# Altium PCB Discharge_B5.PcbDoc (part 2 of 2)
Units mm, origin at the board's own origin, x right, y up, seen from the top; angles counter-clockwise.
Board outline 173.11 x 82.3 mm, 4 copper layers (Top Layer, GND, PWR, Bottom Layer), stack 1.369 mm thick; 172 components, 113 nets, 558 pads, 339 vias.
Unrouted connection lines stored in the file: 8.
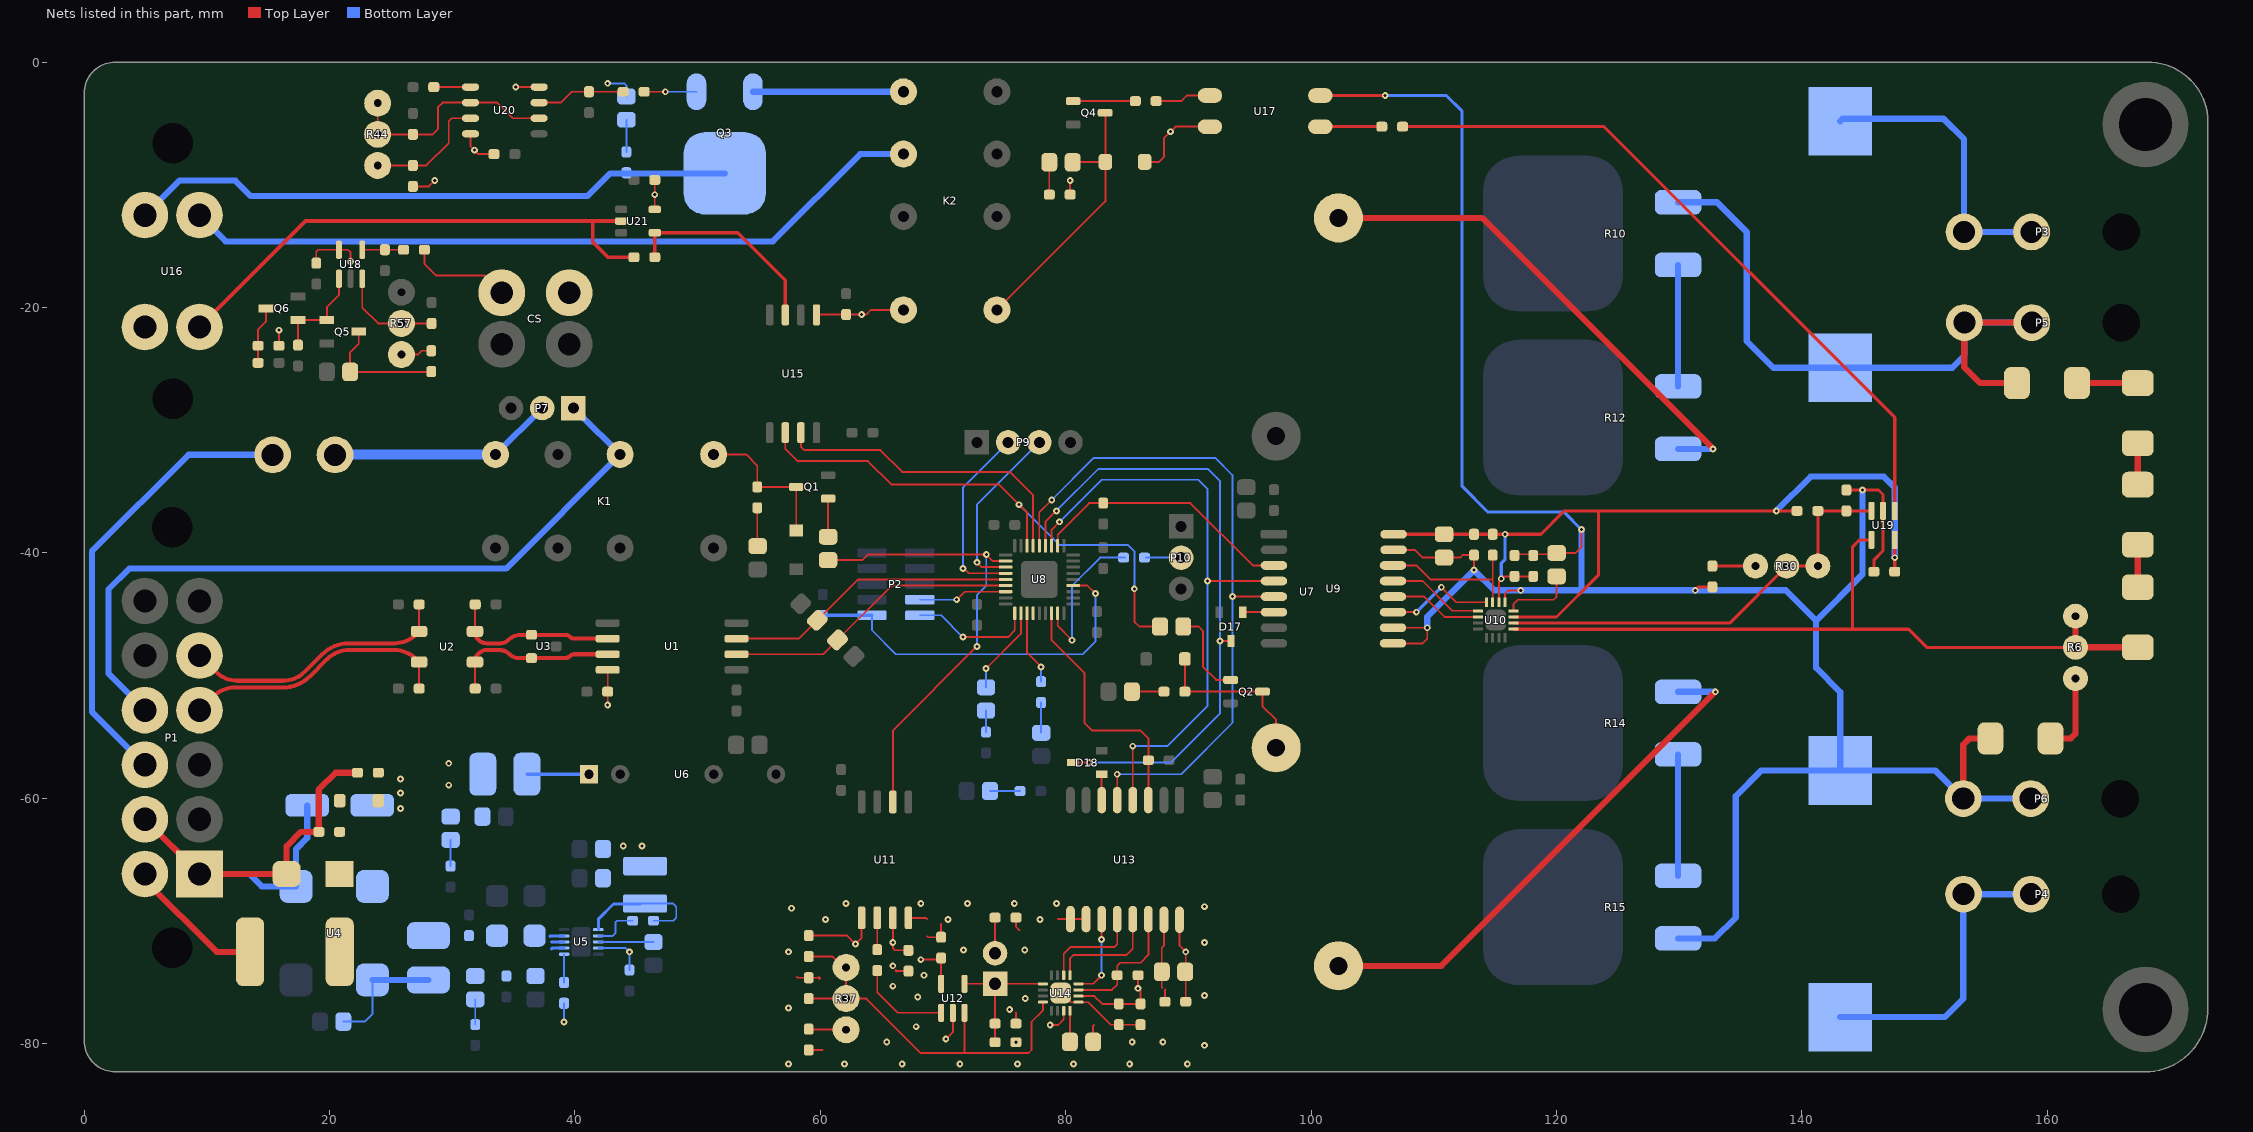
[diagram p4: the nets of this part, all layers, seen from the top]

## Via types
v1: diameter 0.55, hole 0.25, Top Layer to Bottom Layer, 339 vias

## Nets (pads, with @x,y where several pads share a name; then routed paths per layer and width w, separated by ;. In a path a pad name is that pad's centre, name@x,y a point inside that pad or via, vN(x,y) a via of type N, cw(c..) or ccw(c..) an arc to the next point about the centre after c; other vN are vias at no path point) (continued)
5V: C1.2 C17.2 C19.2 C20.2 C21.2 C27.2 C47.2 C54.2 C56.2 CS.2 D4.A D12.A D13.K K2.1 L2.1 L3.2 R4.1 R42.1 R46.2 R56.2 R57.1 R59.2 U1.8 U5.4 U15.1 U16.2 U17.4 U18.5 U20.4 U20.8 U21.5 | length 44.3
  Top Layer w0.152: R59.2@15.875,-23.114 v1(15.875,-21.844) ; C56.2@18.923,-16.024 18.923,-15.44 19.072,-15.291 U18.5@20.767,-15.291 21.5,-15.291 21.717,-15.507 v1(21.717,-16.256) ; R57.1@25.917,-23.895 R57.1@25.857,-23.835 27.193,-23.835 27.506,-23.522 R56.2@28.296,-23.522 ; R42.1@26.797,-10.123 28.104,-10.123 v1(28.575,-9.652) ; U20.8@31.496,-5.842 31.496,-6.858 32.131,-7.493 C54.2@33.401,-7.493 ; v1(35.179,-2.032) U20.4@37.084,-2.032 ; v1(42.672,-52.402) C1.2@42.672,-51.308 U1.8@42.672,-49.53 ; U21.5@46.511,-12.004 C27.2@46.511,-9.601 ; U15.1@59.69,-20.6 59.716,-20.574 C47.2@62.103,-20.574 63.754,-20.574 64.135,-20.193 K2.1@66.775,-20.193 ; R46.2@80.367,-10.795 v1(80.367,-9.637) ; D13.K@86.436,-8.128 87.63,-8.128 88.011,-7.747 88.011,-6.202 88.955,-5.258 90.957,-5.258 U17.4@91.414,-5.715
  Bottom Layer w0.152: v1(39.116,-78.232) R4.1@39.116,-76.708 ; U5.4@41.908,-72.211 44.144,-72.211 v1(44.45,-72.517) C17.2@44.45,-73.992 ; v1@42.723,-1.727 44.018,-1.727 44.196,-1.905 D12.A@44.196,-2.794
  other v1: 43.942,-63.881 45.466,-63.881 29.718,-58.928 29.718,-57.15 63.373,-20.574 46.511,-10.803 31.813,-7.175 88.545,-5.668 42.672,-1.727
BOOT0: P10.2 R24.1 | length 2.9
  Bottom Layer w0.152: R24.1@86.536,-40.386 P10.2@89.408,-40.386
CAN1_F_N: C5.2 U1.6 U2.3 U3.1 | length 13.9
  Top Layer w0.152: U2.3@31.866,-46.384 C5.2@31.866,-44.207
  Top Layer w0.33: U2.3@31.855,-46.395 ccw(c32.83,-46.395) 32.83,-47.37 33.933,-47.37 ccw(c33.933,-46.506) 34.544,-47.117 cw(c35.611,-48.184) 35.611,-46.675 U3.1@36.465,-46.675 39.17,-46.675 cw(c39.17,-47.317) 39.624,-46.863 ccw(c39.931,-46.556) 39.931,-46.99 U1.6@42.672,-46.99
  Top Layer w0.381: U2.3@31.855,-46.395 U2.3@31.866,-46.384 ; C5.2@31.866,-44.207 C5.2@31.877,-44.196
CAN1_F_P: C6.2 U1.7 U2.4 U3.2 | length 13.8
  Top Layer w0.152: C6.2@31.866,-51.043 U2.4@31.866,-48.906
  Top Layer w0.33: U2.4@31.855,-48.895 cw(c32.83,-48.895) 32.83,-47.92 33.85,-47.92 cw(c33.85,-49.081) 34.671,-48.26 ccw(c35.431,-47.5) 35.431,-48.575 U3.2@36.465,-48.575 39.177,-48.575 ccw(c39.177,-47.95) 39.619,-48.392 39.624,-48.387 cw(c39.931,-48.694) 39.931,-48.26 U1.7@42.672,-48.26
  Top Layer w0.381: U2.4@31.855,-48.895 U2.4@31.866,-48.906 ; C6.2@31.866,-51.043 C6.2@31.877,-51.054
CAN1_N: C3.2 P1.5 U2.2 | length 22.1
  Top Layer w0.152: U2.2@27.305,-46.395 C3.2@27.305,-44.218
  Top Layer w0.33: P1.5@9.403,-48.367 10.711,-49.675 ccw(c12.507,-47.879) 12.507,-50.419 16.204,-50.419 ccw(c16.204,-47.879) 18,-49.675 19.4,-48.275 cw(c21.585,-50.46) 21.585,-47.37 25.278,-47.37 ccw(c25.278,-44.83) 27.074,-46.626 U2.2@27.305,-46.395
CAN1_P: C4.2 P1.4 U2.1 | length 22.1
  Top Layer w0.152: C4.2@27.294,-51.169 U2.1@27.294,-48.992
  Top Layer w0.33: P1.4@9.403,-52.817 10.507,-51.713 cw(c12.303,-53.509) 12.303,-50.969 16.204,-50.969 ccw(c16.204,-47.879) 18.389,-50.064 19.789,-48.664 cw(c21.585,-50.46) 21.585,-47.92 25.278,-47.92 cw(c25.278,-50.46) 27.074,-48.664 U2.1@27.305,-48.895
CAN_RX_INDC: U8.31
CAN_TX_INDC: R17.2 U8.30 | length 6.1
  Top Layer w0.152: U8.30@76.851,-44.914 76.851,-48.149 v1(77.994,-49.292)
  Bottom Layer w0.152: R17.2@77.994,-50.497 v1(77.994,-49.292)
CLK_ADC: U13.13 U14.13 | length 9.2
  Top Layer w0.152: U14.13@80.342,-74.422 80.342,-73.074 80.645,-72.771 84.963,-72.771 85.471,-72.263 U13.13@85.471,-69.849
CLK_HV: U9.13 U10.13 | length 7.9
  Top Layer w0.152: U9.13@106.679,-42.291 109.093,-42.291 111.522,-44.72 U10.13@113.608,-44.72
Clock: R43.1 R45.1 U20.3 | length 7.2
  Top Layer w0.152: U20.3@37.084,-3.302 38.862,-3.302 39.751,-2.413 R45.1@41.148,-2.413 R43.1@43.942,-2.413
CS_ADC: R39.1 U13.14 U14.11 | length 10.7
  Top Layer w0.152: U14.11@81.042,-75.622 83.763,-75.622 84.201,-75.184 R39.1@84.201,-74.422 84.201,-73.66 84.455,-73.406 86.106,-73.406 86.741,-72.771 U13.14@86.741,-69.849
CS_HV: R32.1 U9.14 U10.11 | length 12.5
  Top Layer w0.152: U9.14@106.679,-41.021 108.585,-41.021 109.728,-42.164 114.745,-42.164 114.808,-42.1 ; U10.11@114.808,-44.02 114.808,-42.1 ; R32.1@114.808,-40.181 114.808,-42.1
Discharge: R42.2 R44.3 U20.7 | length 10.2
  Top Layer w0.152: R44.3@23.927,-8.423 R42.2@26.797,-8.423 27.899,-8.423 29.718,-6.604 29.718,-4.826 29.972,-4.572 U20.7@31.496,-4.572
DISCHARGE_DISABLE: R48.2 U16.1 U21.2 | length 43.5
  Top Layer w0.3: U16.1@9.403,-21.59 18.039,-12.954 41.453,-12.954 ; U21.2@43.761,-12.954 41.453,-12.954 ; R48.2@44.811,-15.9 42.697,-15.9 41.453,-14.656 41.453,-12.954
Discharge_Disable_Inv: R48.1 U15.3 U21.4 | length 17.1
  Top Layer w0.3: R48.1@46.511,-15.9 U21.4@46.511,-13.904 53.274,-13.904 57.15,-17.78 U15.3@57.15,-20.6
GL_IN: P1.10 P12.1 | length 37.2
  Bottom Layer w0.5: P1.10@4.953,-57.267 0.635,-52.949 0.635,-39.878 8.509,-32.004 P12.1@15.367,-32.004
GL_INT: K1.9 P7.2 P12.2 | length 18.5
  Top Layer w0.8: K1.9@33.514,-31.99 K1.9@33.528,-31.977
  Bottom Layer w0.5: K1.9@33.541,-31.977 P7.2@37.324,-28.194
  Bottom Layer w0.8: P12.2@20.461,-31.99 K1.9@33.514,-31.99 ; K1.9@33.528,-31.977 K1.9@33.541,-31.977 ; P7.2@37.324,-28.194 P7.2@37.338,-28.194
GL_OUT: K1.13 P1.9 P7.1 | length 62.7
  Top Layer w0.254: K1.13@43.661,-31.977 K1.13@43.688,-31.977
  Bottom Layer w0.5: P1.9@4.953,-52.79 1.975,-49.812 1.975,-42.983 3.683,-41.275 34.39,-41.275 K1.13@43.688,-31.977 40.405,-28.694 40.378,-28.694 39.905,-28.221 P7.1@39.905,-28.194
GLV+: F1.1 P1.12 | length 11.5
  Top Layer w0.5: P1.12@4.953,-66.167 4.953,-66.675 10.795,-72.517 F1.1@13.528,-72.517
GLV-: C11.1 C12.1 C13.1 D3.K P1.1 P1.11 U4.4 | length 41.2
  Top Layer w0.508: P1.11@4.953,-61.717 P1.1@9.403,-66.167 D3.K@16.498,-66.167 16.498,-63.893 17.653,-62.738 C11.1@19.128,-62.738 19.128,-59.275 20.491,-57.912 C12.1@22.228,-57.912
  Bottom Layer w0.508: P1.1@9.403,-66.167 13.462,-66.167 14.478,-67.183 U4.4@17.275,-67.183 17.272,-67.18 17.272,-64.135 18.178,-63.229 C13.1@18.178,-60.579
GND_PDOC: C36.1 C37.1 C38.1 C39.1 C40.2 C41.2 C44.1 C45.1 C46.1 R35.1 R38.1 U11.4 U12.2 U13.9 U13.10 U13.15 U14.9 U14.17 | length 29.6
  Top Layer w0.152: 58.09,-74.574 58.142,-74.627 C39.1@59.055,-74.627 59.895,-74.627 ; R38.1@59.055,-80.518 60.198,-80.518 ; 66.216,-74.09 C37.1@67.183,-74.09 ; U11.4@67.183,-69.749 68.606,-69.749 68.707,-69.85 ; 68.707,-71.247 68.785,-71.325 C38.1@69.85,-71.325 69.85,-70.231 ; v1(70.231,-79.629) 70.805,-79.055 U12.2@70.805,-78.181 ; C36.1@75.946,-78.359 75.946,-77.47 ; R35.1@75.946,-69.723 75.946,-70.45 76.235,-70.739 ; 79.375,-69.85 U13.9@80.391,-69.85 U13.10@81.661,-69.849 ; U14.17@79.592,-75.872 79.669,-75.872 80.419,-76.622 U14.9@81.042,-76.622 81.829,-76.622 83.664,-78.457 C45.1@84.328,-78.457 C46.1@86.106,-78.457 ; C44.1@82.242,-79.857 82.242,-78.54 82.296,-78.486 ; 87.884,-75.438 87.835,-75.389 C41.2@87.835,-74.142 87.835,-72.185 88.011,-72.009 U13.15@88.011,-69.9 ; C40.2@88.089,-76.581 88.089,-75.614 88.138,-75.565
  Top Layer w0.254: 59.895,-74.627 59.944,-74.676 ; 66.167,-74.041 66.216,-74.09
  other v1: 57.404,-81.661 61.976,-81.661 66.675,-81.661 71.374,-81.661 76.073,-81.661 80.645,-81.661 85.217,-81.661 89.916,-81.661 91.313,-80.137 65.418,-79.874 85.418,-79.874 87.918,-79.874 67.818,-78.613 75.438,-77.216 57.404,-77.089 76.708,-76.327 67.945,-76.2 91.313,-76.073 65.913,-75.311 68.453,-74.422 65.913,-73.66 57.404,-72.517 71.668,-72.374 76.668,-72.374 91.313,-71.755 60.418,-69.874 70.418,-69.874 77.918,-69.874 57.658,-68.961 91.313,-68.834 62.103,-68.58 68.199,-68.58 72.009,-68.58 75.819,-68.58 79.248,-68.58
HB: D10.K U8.29 | length 7.2
  Top Layer w0.152: v1(73.507,-49.429) 76.351,-46.585 U8.29@76.351,-44.914
  Bottom Layer w0.152: D10.K@73.507,-50.957 v1(73.507,-49.429)
HIGH_SENSE: CS.1 R58.1 | length 8.4
  Top Layer w0.152: R58.1@27.735,-15.291 27.735,-16.432 28.702,-17.399 32.639,-17.399 CS.1@34.036,-18.796
"HV MC +": P5.1 P5.2 R1.2 R10.1 R26.2 | length 56.7
  Top Layer w0.508: R26.2@157.533,-26.162 154.559,-26.162 153.25,-24.853 P5.2@153.25,-21.226 P5.1@158.75,-21.226
  Bottom Layer w0.508: R10.1@129.918,-11.424 133.09,-11.424 135.509,-13.843 135.509,-22.733 137.685,-24.909 R1.2@143.129,-24.909 152.256,-24.909 153.25,-23.915 P5.2@153.25,-21.226 P5.1@158.75,-21.226
"HV MC-": C28.2 C29.2 C32.1 C33.1 C34.1 C50.1 C51.1 P6.1 P6.2 R2.2 R15.2 R31.1 R40.1 U9.9 U9.10 U9.15 U10.9 U17.2 U19.2 | length 203.1
  Top Layer w0.152: U9.10@106.679,-46.101 v1(109.474,-46.101) 109.474,-46.99 109.093,-47.371 U9.9@106.68,-47.371 ; U9.15@106.73,-39.751 108.458,-39.751 109.088,-40.381 C29.2@110.845,-40.381 112.146,-40.381 112.346,-40.181 C28.2@113.284,-40.181 v1(113.284,-41.402) ; U10.9@115.808,-44.02 115.81,-44.018 115.81,-43.321 116.078,-43.053 v1(117.094,-43.053) ; C34.1@116.586,-40.21 116.686,-40.11 119.915,-40.11 C32.1@120.015,-40.01 121.534,-40.01 122.047,-39.497 v1(122.047,-38.1)
  Top Layer w0.254: U17.2@100.762,-2.718 v1(106.045,-2.718) ; v1(131.318,-43.053) 131.599,-42.772 R40.1@132.715,-42.772 ; C50.1@143.637,-34.876 v1(144.946,-34.876) 146.255,-34.876 146.624,-35.245 U19.2@146.624,-36.576 146.624,-39.835 145.874,-40.585 C51.1@145.874,-41.529
  Top Layer w0.508: P6.2@153.162,-60.022 153.162,-55.626 153.67,-55.118 R31.1@155.374,-55.118
  Bottom Layer w0.254: v1(106.045,-2.718) 111.023,-2.718 112.319,-4.013 112.319,-34.569 114.427,-36.678 120.625,-36.678 v1(122.047,-38.1)
  Bottom Layer w0.508: v1(109.474,-46.101) 109.474,-45.212 v1(113.284,-41.402) 114.935,-43.053 v1(117.094,-43.053) 122.047,-43.053 ; v1(122.047,-38.1) 122.047,-43.053 ; R15.2@129.918,-71.423 132.92,-71.423 134.62,-69.723 134.62,-59.817 136.701,-57.736 R2.2@143.129,-57.736 ; v1(144.946,-34.876) 144.946,-41.744 141.16,-45.53 ; P6.1@158.662,-60.022 P6.2@153.162,-60.022 150.876,-57.736 R2.2@143.129,-57.736 ; 122.047,-43.053 v1(131.318,-43.053) 138.684,-43.053 141.16,-45.53 ; 141.16,-45.53 141.16,-49.376 143.129,-51.344 R2.2@143.129,-57.736
HVVDD: C28.1 C29.1 C33.2 C34.2 C51.2 R18.2 R32.2 U9.16 U10.7 U10.10 U19.5 | length 75.2
  Top Layer w0.152: U10.10@115.308,-44.02 115.308,-42.299 v1(115.502,-42.105) 115.697,-41.91 C34.2@116.586,-41.91 C33.2@118.11,-41.91
  Top Layer w0.254: U9.16@106.73,-38.481 C29.1@110.845,-38.481 C28.1@113.284,-38.481 R32.2@114.808,-38.481 v1(115.824,-38.481) 118.745,-38.481 120.65,-36.576 123.444,-36.576 ; U10.7@116.508,-45.22 120.007,-45.22 123.444,-41.783 123.444,-36.576 ; R18.2@139.61,-36.576 v1(137.922,-36.576) 123.444,-36.576 ; C51.2@147.574,-41.529 U19.5@147.574,-38.938
  Bottom Layer w0.254: v1(115.502,-42.105) 115.502,-40.835 115.824,-40.513 v1(115.824,-38.481)
  Bottom Layer w0.508: v1(137.922,-36.576) 140.716,-33.782 146.685,-33.782 147.574,-34.671 v1(147.574,-40.386)
MISO_ADC: U13.11 U14.12 | length 6.8
  Top Layer w0.152: U14.12@81.042,-75.122 82.231,-75.122 v1(82.931,-74.422) ; v1(82.931,-71.501) U13.11@82.931,-69.849
  Bottom Layer w0.152: v1(82.931,-74.422) v1(82.931,-71.501)
MISO_HV: U9.11 U10.12 | length 9
  Top Layer w0.152: U9.11@106.679,-44.831 v1(108.585,-44.831) ; v1(110.617,-42.799) 111.838,-44.02 U10.12@114.308,-44.02
  Bottom Layer w0.254: v1(108.585,-44.831) v1(110.617,-42.799)
MOSI_ADC: U13.12 U14.14 | length 8.5
  Top Layer w0.152: U14.14@79.842,-74.422 79.842,-72.685 80.391,-72.136 83.947,-72.136 84.201,-71.882 U13.12@84.201,-69.849
MOSI_HV: U9.12 U10.14 | length 7.6
  Top Layer w0.152: U9.12@106.679,-43.561 109.22,-43.561 110.879,-45.22 U10.14@113.608,-45.22
NetC8_2: C8.2 L1.2 U4.2 | length 10
  Bottom Layer w0.152: C8.2@21.131,-78.206 22.886,-78.206 23.495,-77.597 U4.2@23.495,-74.803
  Bottom Layer w0.508: U4.2@23.495,-74.803 L1.2@28.067,-74.803
NetC11_2: C11.2 D1.A D3.A F1.2
NetC16_2: C16.2 U5.3 | length 4.5
  Bottom Layer w0.152: U5.3@41.908,-71.711 C16.2@46.404,-71.711
NetC18_1: C18.1 L2.2 U5.1 | length 10.7
  Bottom Layer w0.152: L2.2@45.339,-68.614 45.373,-68.58 48.006,-68.58 48.26,-68.834 48.26,-69.723 48.006,-69.977 C18.1@46.404,-69.977
  Bottom Layer w0.254: U5.1@41.908,-70.711 41.908,-69.852 43.146,-68.614 L2.2@45.339,-68.614
NetC18_2: C18.2 U5.2 | length 3.8
  Bottom Layer w0.152: U5.2@41.908,-71.211 43.089,-71.211 43.307,-70.993 43.307,-70.104 43.434,-69.977 C18.2@44.704,-69.977
NetC32_2: C32.2 U10.8 | length 6
  Top Layer w0.152: U10.8@116.508,-44.72 116.508,-44.147 116.84,-43.815 119.761,-43.815 120.015,-43.561 C32.2@120.015,-41.91
NetC36_2: C36.2 P11.2 R33.1 U12.4 U14.1 | length 11.1
  Top Layer w0.152: U12.4@71.755,-75.122 P11.2@74.246,-75.122 ; R33.1@74.246,-79.883 C36.2@74.246,-78.359 P11.2@74.246,-75.122 ; U14.1@78.142,-75.122 P11.2@74.246,-75.122
NetC39_2: C39.2 R36.1 R37.1 R37.2 U12.3 U14.4 | length 33.2
  Top Layer w0.152: C39.2@59.055,-76.327 R37.2@62.103,-76.327 ; R36.1@59.055,-72.898 61.016,-72.898 R37.1@61.905,-73.787 ; R37.1@61.905,-74.295 62.103,-74.295 R37.2@62.103,-76.327 ; U12.3@71.755,-77.484 71.755,-80.623 71.606,-80.772 ; U14.4@78.142,-76.622 78.142,-77.306 77.216,-78.232 77.216,-80.518 76.962,-80.772 71.606,-80.772 ; R37.2@62.103,-76.327 63.754,-76.327 68.199,-80.772 71.606,-80.772
NetC44_2: C44.2 U14.8 | length 2.5
  Top Layer w0.152: C44.2@80.342,-79.857 U14.8@80.342,-77.322
NetC50_2: C50.2 R18.1 R30.1 R30.2 U10.6 U19.3 | length 35.6
  Top Layer w0.254: U10.6@116.508,-45.72 134.122,-45.72 R30.2@138.77,-41.072 R30.1@141.31,-41.072 R18.1@141.31,-36.576 C50.2@143.637,-36.576 U19.3@145.674,-36.576
NetC52_2: C52.2 U20.5 | length 3
  Top Layer w0.152: C52.2@28.497,-2.032 U20.5@31.496,-2.032
NetC55_2: C55.2 R57.2 U18.3 | length 8.5
  Top Layer w0.152: U18.3@22.667,-17.653 22.667,-20 23.962,-21.295 R57.2@25.857,-21.295 C55.2@28.321,-21.295
NetC57_2: C57.2 R58.2 U18.4 | length 3.4
  Top Layer w0.152: U18.4@22.667,-15.291 24.704,-15.291 R58.2@26.035,-15.291
NetD2_K: D2.K R3.2 | length 2.1
  Bottom Layer w0.152: R3.2@31.877,-78.437 D2.K@31.877,-76.386
NetD4_K: D4.K R5.2 | length 2.1
  Bottom Layer w0.152: R5.2@29.871,-65.532 D4.K@29.871,-63.394
NetD5_K: D5.K R7.2 | length 2.4
  Bottom Layer w0.152: D5.K@73.836,-59.41 R7.2@76.278,-59.41
NetD6_K: D6.K R8.2 | length 3.1
  Top Layer w0.152: R8.2@54.864,-36.322 54.864,-39.422 D6.K@54.89,-39.448
NetD7_A: D7.A K1.16 Q1.D R8.1 | length 12.4
  Top Layer w0.152: K1.16@51.308,-31.977 53.948,-31.977 54.864,-32.893 R8.1@54.864,-34.622 Q1.D@58.039,-34.622 D7.A@58.039,-38.176
NetD8_K: D8.K R13.2 | length 2.6
  Top Layer w0.152: D8.K@85.393,-51.308 R13.2@88.013,-51.308
NetD9_A: D9.A Q2.D R13.1 U7.3 | length 14
  Top Layer w0.152: D9.A@89.713,-48.641 R13.1@89.713,-51.308 Q2.D@96.042,-51.308 96.042,-52.481 97.155,-53.594 U7.3@97.155,-55.88
NetD10_A: D10.A R16.1 | length 1.8
  Bottom Layer w0.152: R16.1@73.507,-54.61 D10.A@73.507,-52.857
NetD11_A: D11.A R17.1 | length 2.5
  Bottom Layer w0.152: D11.A@77.994,-54.664 R17.1@77.994,-52.197
NetD12_K: D12.K R41.2 | length 2.6
  Bottom Layer w0.152: R41.2@44.196,-7.317 D12.K@44.196,-4.694
NetD13_A: D13.A D14.K K2.16 Q4.D | length 22.4
  Top Layer w0.152: K2.16@74.395,-20.193 83.236,-11.352 D13.A@83.236,-8.128 ; D14.K@80.593,-8.128 D13.A@83.236,-8.128 ; Q4.D@83.236,-4.146 D13.A@83.236,-8.128
  Top Layer w0.254: D14.K@80.567,-8.154 D14.K@80.593,-8.128 ; Q4.D@83.215,-4.125 Q4.D@83.236,-4.146
NetD14_A: D14.A R46.1 | length 2.6
  Top Layer w0.152: R46.1@78.667,-10.795 D14.A@78.667,-8.154
NetD16_A: D16.A Q5.D R56.1 | length 10.2
  Top Layer w0.152: Q5.D@22.382,-21.966 22.382,-22.957 21.682,-23.657 D16.A@21.682,-25.247 R56.1@28.296,-25.247
NetD17_A: D17.A U9.6 | length 2.6
  Top Layer w0.152: D17.A@94.486,-44.831 U9.6@96.977,-44.831
  Top Layer w0.254: D17.A@94.422,-44.767 ccw(c94.486,-44.767) D17.A@94.486,-44.831
NetD17_K: D17.K D18.K U8.13 | length 51.9
  Top Layer w0.152: U8.13@78.351,-39.414 78.351,-37.473 v1(79.248,-36.576) ; D18.K@80.581,-57.089 v1(81.915,-57.089) ; v1@92.647,-47.181 D17.K@93.472,-47.181
  Top Layer w0.254: v1@92.583,-47.117 ccw(c92.647,-47.117) v1@92.647,-47.181
  Bottom Layer w0.152: v1(79.248,-36.576) 82.677,-33.147 91.567,-33.147 92.583,-34.163 92.583,-53.086 88.58,-57.089 v1(81.915,-57.089)
  other v1: 92.583,-47.181
NetD18_A: D18.A U13.6 | length 2.1
  Top Layer w0.152: U13.6@82.931,-60.147 D18.A@82.931,-58.039
NetK2_8: K2.8 Q3.S | length 12.3
  Bottom Layer w0.5: Q3.S@54.511,-2.413 K2.8@66.775,-2.413
NetL3_1: L3.1 U6.1 | length 5.1
  Bottom Layer w0.254: L3.1@36.09,-58.039 U6.1@41.148,-58.039
NetP3_1: P3.1 P3.2 R1.1 | length 23.9
  Bottom Layer w0.508: R1.1@143.129,-4.809 143.327,-4.611 151.55,-4.611 153.225,-6.286 P3.2@153.225,-13.843 153.441,-13.843 P3.1@158.725,-13.843
NetP4_1: P4.1 P4.2 R2.1 | length 24.8
  Bottom Layer w0.508: R2.1@143.129,-77.836 151.653,-77.836 153.162,-76.327 153.162,-67.818 P4.1@158.817,-67.818
NetP11_1: P11.1 R35.2 | length 3
  Top Layer w0.152: P11.1@74.246,-72.684 R35.2@74.246,-69.723
NetQ1_G: Q1.G R9.2 | length 3.1
  Top Layer w0.152: R9.2@60.639,-38.686 Q1.G@60.639,-35.572
NetQ2_G: Q2.G R11.2 | length 7.4
  Top Layer w0.152: R11.2@89.584,-46 90.831,-46 91.186,-46.355 91.186,-49.276 92.268,-50.358 Q2.G@93.442,-50.358
NetQ3_G: Q3.G R43.2 | length 4.3
  Top Layer w0.152: R43.2@45.642,-2.413 v1(47.371,-2.413)
  Bottom Layer w0.152: v1(47.371,-2.413) Q3.G@49.911,-2.413
NetQ4_G: Q4.G R47.2 | length 5.1
  Top Layer w0.152: Q4.G@80.615,-3.175 R47.2@85.676,-3.175
NetQ5_G: Q5.G Q6.G R61.2 U18.1 | length 8.2
  Top Layer w0.152: R61.2@17.429,-23.065 Q6.G@17.429,-21.016 Q5.G@19.782,-21.016 19.782,-19.969 20.767,-18.984 U18.1@20.767,-17.653
NetQ6_D: Q6.D R59.1 R60.2 | length 4.7
  Top Layer w0.152: R60.2@14.175,-24.511 R59.1@14.175,-23.114 14.175,-21.766 14.829,-21.112 Q6.D@14.829,-20.066
NetR4_2: R4.2 U5.6 | length 2.3
  Bottom Layer w0.152: R4.2@39.116,-75.008 39.116,-72.713 U5.6@39.118,-72.711
NetR6_1: R6.1 R31.2 | length 6.7
  Top Layer w0.508: R31.2@160.274,-55.118 161.925,-55.118 162.306,-54.737 R6.1@162.306,-50.239
NetR6_2: R6.2 R6.3 R29.1 U10.5 U19.4 | length 62.5
  Top Layer w0.254: U10.5@116.508,-46.22 144.145,-46.22 ; U19.4@145.674,-38.938 144.704,-38.938 144.145,-39.497 144.145,-46.22 ; R6.2@162.306,-47.699 150.188,-47.699 148.709,-46.22 144.145,-46.22
  Top Layer w0.508: R6.3@162.306,-45.159 R6.2@162.306,-47.699 R29.1@167.386,-47.699
NetR9_1: R9.1 U8.20 U11.6 | length 38.2
  Top Layer w0.152: R9.1@60.639,-40.586 63.427,-40.586 63.881,-40.132 v1(73.533,-40.132) 74.065,-40.664 U8.20@75.101,-40.664 ; U11.6@65.913,-60.299 65.913,-54.483 v1(72.771,-47.625)
  Bottom Layer w0.152: v1(72.771,-47.625) 72.771,-43.434 73.533,-42.672 v1(73.533,-40.132)
NetR10_2: R10.2 R12.1 | length 9.9
  Bottom Layer w0.508: R12.1@129.918,-26.424 R10.2@129.918,-16.524
NetR11_1: R11.1 U8.16 U15.6 | length 44.8
  Top Layer w0.152: U15.6@57.15,-30.2 57.15,-31.496 58.166,-32.512 63.881,-32.512 65.786,-34.417 74.549,-34.417 v1(76.2,-36.068) 76.851,-36.719 U8.16@76.851,-39.414 ; v1(85.598,-42.926) 85.598,-45.593 86.005,-46 R11.1@87.684,-46
  Bottom Layer w0.152: v1(76.2,-36.068) 79.502,-39.37 85.09,-39.37 85.598,-39.878 v1(85.598,-42.926)
NetR12_2: R12.2 U7.1 | length 41.2
  Top Layer w0.508: U7.1@102.235,-12.7 113.945,-12.7 v1(132.769,-31.524)
  Bottom Layer w0.508: R12.2@129.918,-31.524 v1(132.769,-31.524)
NetR14_1: R14.1 U7.4 | length 43
  Top Layer w0.508: U7.4@102.235,-73.66 110.617,-73.66 v1(132.954,-51.323)
  Bottom Layer w0.508: R14.1@129.918,-51.323 v1(132.954,-51.323)
NetR14_2: R14.2 R15.1 | length 9.9
  Bottom Layer w0.508: R15.1@129.918,-66.323 R14.2@129.918,-56.423
NetR19_1: R19.1 U1.2 U8.24 | length 24.2
  Top Layer w0.152: U1.2@53.172,-48.26 60.235,-48.26 R19.1@61.404,-47.09 65.831,-42.664 U8.24@75.101,-42.664
NetR20_1: R20.1 U1.3 U8.23 | length 23.9
  Top Layer w0.152: U1.3@53.172,-46.99 58.256,-46.99 R20.1@59.754,-45.493 63.082,-42.164 U8.23@75.101,-42.164
NetR22_1: R22.1 U8.11 U9.3 | length 21.7
  Top Layer w0.152: U8.11@79.351,-39.414 79.351,-38.505 80.645,-37.211 81.915,-35.941 R22.1@83.058,-35.941 90.17,-35.941 95.25,-41.021 U9.3@96.977,-41.021
NetR23_1: R23.1 U8.34 U13.3 | length 20.8
  Top Layer w0.152: U8.34@78.851,-44.914 78.851,-47.101 81.534,-49.784 81.534,-53.848 82.169,-54.483 86.106,-54.483 86.741,-55.118 R23.1@86.741,-56.896 U13.3@86.741,-60.147
NetR24_2: R24.2 U8.35 | length 12.4
  Top Layer w0.152: U8.35@79.351,-44.914 79.351,-45.95 v1(80.518,-47.117)
  Bottom Layer w0.152: v1(80.518,-47.117) 80.518,-42.672 82.804,-40.386 R24.2@84.836,-40.386
NetR25_1: R25.1 U19.1 | length 57.5
  Top Layer w0.254: R25.1@107.466,-5.258 123.876,-5.258 147.574,-28.956 U19.1@147.574,-36.576
NetR25_2: R25.2 U17.1 | length 5
  Top Layer w0.254: U17.1@100.762,-5.258 R25.2@105.766,-5.258
NetR26_1: R26.1 R27.2 | length 5
  Top Layer w0.254: R26.1@162.433,-26.126 R26.1@162.451,-26.144 ; R27.2@167.368,-26.144 R27.2@167.386,-26.162
  Top Layer w0.508: R26.1@162.451,-26.144 R27.2@167.368,-26.144
NetR27_1: R27.1 R28.2 | length 3.4
  Top Layer w0.508: R28.2@167.386,-34.434 R27.1@167.386,-31.062
NetR28_1: R28.1 R29.2 | length 3.5
  Top Layer w0.508: R29.2@167.386,-42.799 R28.1@167.386,-39.334
NetR30_3: R30.3 R40.2 | length 3.5
  Top Layer w0.254: R40.2@132.715,-41.072 R30.3@136.23,-41.072
NetR34_1: R34.1 U12.1 | length 7.7
  Top Layer w0.152: R34.1@64.643,-74.041 64.643,-75.819 66.308,-77.484 U12.1@69.855,-77.484
NetR34_2: R34.2 U11.2 | length 2.7
  Top Layer w0.152: R34.2@64.643,-72.341 U11.2@64.643,-69.622
NetR37_3: R37.3 R38.2 | length 3
  Top Layer w0.152: R38.2@59.079,-78.842 R37.3@62.078,-78.842 ; R37.3@62.078,-79.35 R37.3@62.103,-79.375
NetU8_12: U8.12 U9.4 U13.4 | length 50.9
  Top Layer w0.152: U8.12@78.851,-39.414 78.851,-38.113 79.499,-37.465 v1(79.502,-37.465) ; U13.4@85.471,-60.147 v1(85.471,-55.753) ; v1(91.567,-42.291) U9.4@96.977,-42.291
  Bottom Layer w0.152: v1(79.502,-37.465) 82.931,-34.036 90.805,-34.036 91.567,-34.798 v1(91.567,-42.291) 91.567,-52.451 88.265,-55.753 v1(85.471,-55.753)
NetU8_14: U8.14 U9.5 U13.5 | length 57.7
  Top Layer w0.152: U8.14@77.851,-39.414 77.851,-36.703 v1(78.867,-35.687) ; U13.5@84.201,-60.147 v1(84.201,-58.039) ; v1(93.599,-43.561) U9.5@96.977,-43.561
  Bottom Layer w0.152: v1(78.867,-35.687) 82.296,-32.258 92.202,-32.258 93.599,-33.655 v1(93.599,-43.561) 93.599,-53.848 89.404,-58.043 84.205,-58.043 v1(84.201,-58.039)
NetU8_15: U8.15 U15.7 | length 25.8
  Top Layer w0.152: U15.7@58.42,-30.2 58.42,-31.347 58.696,-31.623 64.897,-31.623 66.675,-33.401 75.438,-33.401 77.351,-35.314 U8.15@77.351,-39.414
NRST: P2.1 R21.1 U8.4 | length 30.7
  Top Layer w0.152: U8.4@80.601,-42.664 81.78,-42.664 v1(82.423,-43.307)
  Bottom Layer w0.152: P2.1@64.217,-45.085 64.217,-46.31 66.167,-48.26 81.407,-48.26 82.423,-47.244 v1(82.423,-43.307)
  Bottom Layer w0.254: R21.1@60.198,-45.085 P2.1@64.217,-45.085
SWCLK: P2.2 U8.28 | length 10.1
  Top Layer w0.152: v1(71.628,-46.863) 75.311,-46.863 75.851,-46.323 U8.28@75.851,-44.914
  Bottom Layer w0.152: P2.2@68.117,-45.085 69.85,-45.085 v1(71.628,-46.863)
SWDIO: P2.4 U8.25 | length 7.3
  Top Layer w0.152: v1(71.12,-43.815) 71.771,-43.164 U8.25@75.101,-43.164
  Bottom Layer w0.152: P2.4@68.117,-43.815 v1(71.12,-43.815)
Trigger: C53.2 R44.1 R44.2 U20.2 U20.6 | length 18.3
  Top Layer w0.152: R44.1@23.927,-3.343 R44.2@23.927,-5.883 C53.2@26.797,-5.883 28.407,-5.883 28.829,-5.461 28.829,-3.683 29.21,-3.302 U20.6@31.496,-3.302 33.655,-3.302 34.925,-4.572 U20.2@37.084,-4.572
TSAL_ACTIVE: R47.1 U17.3 | length 4.6
  Top Layer w0.152: R47.1@87.376,-3.175 89.408,-3.175 89.865,-2.718 U17.3@91.762,-2.718
TSAL_GREEN: K2.6 U16.3 | length 61.2
  Bottom Layer w0.5: U16.3@9.403,-12.47 11.538,-14.605 56.134,-14.605 63.246,-7.493 K2.6@66.775,-7.493
TSAL_RED: Q3.D R41.1 U16.4 | length 49.7
  Bottom Layer w0.5: U16.4@4.953,-12.47 7.771,-9.652 12.319,-9.652 13.589,-10.922 41.021,-10.922 42.88,-9.063 Q3.D@52.211,-9.063
UART_RX: P9.2 U8.22 | length 15.4
  Top Layer w0.152: v1(71.628,-41.275) 71.695,-41.275 72.084,-41.664 U8.22@75.101,-41.664
  Bottom Layer w0.152: v1(71.628,-41.275) 71.628,-34.671 P9.2@75.311,-30.988
UART_TX: P9.3 U8.21 | length 14.4
  Top Layer w0.152: v1(72.771,-40.767) 73.168,-41.164 U8.21@75.101,-41.164
  Bottom Layer w0.152: v1(72.771,-40.767) 72.771,-36.068 P9.3@77.851,-30.988
VBAT_D: C12.2 C13.2 D1.K U4.1
  other v1: 25.781,-60.833 25.781,-59.563 25.781,-58.42
VBAT_F: C7.2 C9.2 C10.2 C14.2 C15.2 D2.A L1.1 U5.7 U5.8 U5.9 | length 3.2
  Bottom Layer w0.254: 37.973,-71.247 38.009,-71.211 U5.9@39.118,-71.211 ; 38.1,-72.263 38.152,-72.211 U5.7@39.118,-72.211 ; 38.1,-71.711 U5.8@39.118,-71.711
VDD_PDOC: C37.2 C38.2 C40.1 C41.1 C45.2 C46.2 R33.2 R36.2 R39.2 U11.1 U11.3 U12.5 U13.16 U14.7 U14.10 | length 31
  Top Layer w0.152: R36.2@59.055,-71.198 62.181,-71.198 v1(62.865,-71.882) 63.373,-71.374 U11.1@63.373,-69.622 ; U11.3@65.913,-69.622 v1(65.913,-71.755) 65.913,-72.241 66.062,-72.39 C37.2@67.183,-72.39 ; v1(68.199,-73.152) 69.723,-73.152 C38.2@69.85,-73.025 69.853,-73.028 U12.5@69.853,-75.181 ; U12.5@69.853,-75.816 U12.5@69.855,-75.819 ; v1(78.74,-78.486) 79.375,-78.486 79.842,-78.019 U14.7@79.842,-77.322 ; U14.10@81.042,-76.122 82.345,-76.122 82.98,-76.757 C45.2@84.328,-76.757 C46.2@86.106,-76.757 86.106,-75.692 v1(85.901,-75.487) R39.2@85.901,-74.422 ; U13.16@89.281,-69.9 89.281,-72.009 v1(89.789,-72.517) C40.1@89.789,-76.581
  other v1: 75.946,-79.883
pads on no net: CS.4 D17.2 D18.2 K1.4 K1.6 K1.8 K1.11 K2.9 K2.11 K2.13 P1.0 P1.2 P1.3 P1.6 P1.7 P2.3 P2.9 P2.10 P3. P4. P5. P6. P7.3 R10. R12. R14. R15. U8.2 U8.3 U8.7 U8.8 U8.9 U8.10 U8.17 U8.32 U8.33 U9.7 U10.1 U10.2 U10.3 U10.4 U10.15 U10.16 U10.17 U13.7 U14.2 U14.3 U14.5 U14.6 U14.15 U14.16 U16.0 U21.1

## Polygon pours and split planes (outlines as drawn)
0V on Top Layer "0V_TOP" (solid, pour order 104): 0,-2.54 cw(c2.54,-2.54) 2.54,0 92.964,0 92.964,-22.352 44.45,-22.352 44.45,-61.468 50.546,-67.564 50.546,-82.296 2.54,-82.296 cw(c2.54,-79.756) 0,-79.756 0,-75.844
0V_(ISO) on Top Layer "0V_(ISO)_TOP" (solid, remove dead copper, pour order 95): 50.546,-28.448 50.546,-59.055 53.467,-61.976 98.806,-61.976 98.806,-28.448
GND_PDOC on Top Layer "GND_PDOC_TOP" (solid, remove dead copper, pour order 21): 56.642,-82.169 56.642,-69.088 57.658,-68.072 91.948,-68.072 91.948,-82.169
VBAT_D on Top Layer "VBAT_D_TOP" (solid, pour order 89): 23.495,-63.881 25.4,-63.881 26.416,-62.865 26.416,-57.912 25.4,-56.896 23.495,-56.896
NetC11_2 on Top Layer "NetC11_2_TOP" (solid, pour order 88): 19.558,-64.77 20.32,-64.008 20.32,-59.563 20.447,-59.436 21.336,-59.436 21.463,-59.563 21.463,-64.008 22.098,-64.643 22.098,-75.311 21.971,-75.438 19.685,-75.438 19.558,-75.311
0V on Bottom Layer "0V_BOT" (solid, pour order 106): 0,-2.54 cw(c2.54,-2.54) 2.54,0 92.964,0 92.964,-22.352 44.45,-22.352 44.45,-61.468 50.546,-67.564 50.546,-82.296 2.54,-82.296 cw(c2.54,-79.756) 0,-79.756 0,-75.844
5V on Bottom Layer "5V_BOT_1" (solid, pour order 93): 41.529,-67.183 41.656,-67.31 47.244,-67.31 47.498,-67.056 47.498,-64.516 46.101,-63.119 41.529,-63.119
0V_(ISO) on Bottom Layer "0V_(ISO)_BOT" (solid, remove dead copper, pour order 96): 50.546,-28.448 50.546,-59.055 53.467,-61.976 98.806,-61.976 98.806,-28.448
GND_PDOC on Bottom Layer "GND_PDOC_BOT" (solid, remove dead copper, pour order 49): 56.642,-82.169 56.642,-69.088 57.658,-68.072 91.948,-68.072 91.948,-82.169
5V on Bottom Layer "5V_BOT_2" (solid, pour order 94): 33.147,-62.357 33.147,-60.325 33.655,-59.817 33.655,-56.134 33.401,-55.88 29.21,-55.88 28.702,-56.388 28.702,-62.23 28.829,-62.357
VBAT_F on Bottom Layer "VBAT_F" (solid, pour order 91): 26.162,-70.358 26.543,-69.977 30.226,-69.977 30.607,-70.358 37.846,-70.358 38.227,-70.739 38.227,-75.057 37.973,-75.311 31.242,-75.311 30.861,-74.93 30.861,-73.152 30.226,-72.517 26.543,-72.517 26.162,-72.136
VBAT_D on Bottom Layer "VBAT_D_BOT" (solid, pour order 90): 21.717,-68.961 26.416,-68.961 26.416,-62.865 26.416,-57.912 25.4,-56.896 21.717,-56.896
0V on GND "0V_GND" (solid, pour order 105): 0,-2.54 cw(c2.54,-2.54) 2.54,0 92.964,0 92.964,-22.352 44.45,-22.352 44.45,-61.468 50.546,-67.564 50.546,-82.296 2.54,-82.296 cw(c2.54,-79.756) 0,-79.756 0,-75.844
GND_PDOC on GND "GND_PDOC_GND" (solid, remove dead copper, pour order 30): 56.642,-82.169 56.642,-69.088 57.658,-68.072 91.948,-68.072 91.948,-82.169
0V_(ISO) on GND "0V_(ISO)_GND" (solid, remove dead copper, pour order 97): 50.546,-28.448 50.546,-59.055 53.467,-61.976 98.806,-61.976 98.806,-28.448
VDD_PDOC on PWR "3V3_PDOC_PWR" (solid, remove dead copper, pour order 31): 57.912,-80.899 57.912,-69.342 90.678,-69.342 90.678,-80.899
5V on PWR "5V_PWR" (solid, remove dead copper, pour order 102): 1.524,-3.175 3.429,-1.27 91.44,-1.27 91.44,-20.955 43.053,-20.955 43.053,-60.071 48.514,-65.532 48.514,-80.899 1.524,-80.899
3V3 on PWR "3V3_PWR" (solid, remove dead copper, pour order 98): 52.07,-29.845 52.07,-58.166 54.356,-60.452 97.155,-60.452 97.155,-29.845

## Silkscreen, mask and mechanical layers (free items; w line width, h text height)
Top Overlay:
  drawing of 61 lines, arcs and shapes, not listed
  text "HIGH VOLTAGE" at 143.115,-23.503 h2 r90
  text "HV MC +" at 155.519,-30.08 h2.5
  text "HV MC -" at 163.568,-56.242 h2.5
  text "Discharge Module B4" at 105.029,-65.138 h1.5
  text "18/04/2024" at 105.029,-66.713 h1.5
  text "L.D" at 105.029,-68.063 h1.5
  text "HIGH VOLTAGE" at 143.242,-71.509 h2 r90
Bottom Overlay:
  circle w0.254: c168.021,-5.08 r5
  circle w0.254: c168.021,-77.216 r5
  region: 130.473,-61.608 132.163,-62.09 131.961,-61.577 133.023,-61.881 133.023,-62.109 133.422,-61.71 133.023,-61.311 133.023,-61.494 131.429,-60.993 131.748,-61.63 130.473,-60.993
  region: 140.415,-77.809 140.399,-77.809 140.399,-77.826 140.382,-77.826 140.382,-77.809 140.382,-77.793 140.415,-77.793
  region: 130.219,-21.984 131.909,-22.466 131.707,-21.953 132.769,-22.257 132.769,-22.485 133.168,-22.086 132.769,-21.687 132.769,-21.87 131.175,-21.369 131.494,-22.006 130.219,-21.369
  lines w0.152: 44.45,-40.64 44.45,-54.229 44.45,-61.468 50.546,-67.564 50.546,-68.707 50.546,-82.296 ; 44.45,-38.481 44.45,-33.02 ; 44.45,-30.988 44.45,-22.352 52.832,-22.352 92.964,-22.352 92.964,0 ; 50.546,-40.64 50.546,-59.055 53.467,-61.976 94.615,-61.976 98.806,-61.976 98.806,-57.277 ; 50.546,-38.608 50.546,-33.02 ; 50.546,-30.988 50.546,-28.448 ; 56.642,-82.296 56.642,-81.788 56.642,-69.088 57.658,-68.072 91.948,-68.072 91.948,-82.169 ; 95.758,-28.448 50.8,-28.448 50.546,-28.448 ; 98.806,-54.61 98.806,-31.877 ; 99.539,0 99.539,-0.987 99.539,-13.052 99.695,-13.208 104.902,-18.415 104.902,-68.072 100.203,-72.771 100.203,-73.66 100.203,-82.169 ; 133.683,-25.136 133.683,-18.657 ; 133.683,-25.046 128.194,-21.829 133.683,-18.567 ; 133.937,-64.76 133.937,-58.281 ; 133.937,-64.67 128.448,-61.453 133.937,-58.191 ; 50.546,-28.448 50.546,-28.448
  text "TSAL FREQ. ADJUST" at 41.156,-4.887 h1.5
  text "TP +" at 162.212,-10.066 h2.5
  text "HIGH VOLTAGE" at 136.003,-16.248 h2 r90
  text "5kW REF ADJUST" at 23.122,-26.662 h1.5
  text "HV MC +" at 164.346,-26.778 h2.5
  text "UART" at 70.366,-31.488 h1.5
  text "GL" at 30.996,-36.695 h1.5
  text "HVD" at 19.414,-36.736 h1.5
  text "BOOT" at 87.384,-37.076 h1.5
  text "TSAL REF ADJUST" at 138.057,-45.28 h1.5
  text "CAN" at 81.018,-49.903 h1.5 r90
  text "JTAG" at 67.448,-51.046 h1.5
  text "BIAS ADJUST" at 159.164,-51.351 h1.5
  text "PC13" at 71.366,-53.078 h1.5 r90
  text "HIGH VOLTAGE" at 136.13,-55.491 h2 r90
  text "HV MC -" at 165.108,-56.217 h2.5
  text "TP -" at 162.441,-73.211 h2.5
  text "PDOC REF ADJUST" at 78.875,-80.256 h1.5
Mechanical 1:
  lines w0.152: -0.004,-77.208 -0.004,-79.746 ccw(c2.55,-79.746) 2.55,-82.3 5.209,-82.3 ; 0,-77.203 0,-4.953 -0.003,-2.547 cw(c2.549,-2.547) 2.549,0.004 4.822,0.004 ; 4.826,0 18.605,0 37.782,0 47.752,0 102.108,0 160.274,0 168.148,0 ; 5.213,-82.296 160.655,-82.296 168.021,-82.296 ccw(c167.958,-77.152) 173.101,-77.089 173.101,-68.072 173.101,-4.826
  lines w0.156: 168.148,0 cw(c168.212,-4.889) 173.101,-4.826
Drill Drawing:
  circle w0.254: c-50.556,43.531 r0.508
  circle w0.254: c-50.556,43.531 r0.847
  circle w0.254: c-50.556,39.721 r0.847
  lines w0.254: -51.402,28.291 -50.556,27.445 -49.709,28.291 -50.556,29.138 -51.402,28.291 ; -51.402,31.255 -49.709,31.255 -49.709,32.948 -51.402,32.948 -51.402,31.255 ; -51.402,35.488 -50.979,35.488 -50.556,35.065 -50.132,35.488 -49.709,35.488 -50.132,35.911 -49.709,36.335 -50.132,36.335 -50.556,36.758 -50.979,36.335 -51.402,36.335 -50.979,35.911 -51.402,35.488 ; -51.402,46.495 -50.556,46.918 -49.709,46.495 -50.132,47.341 -49.709,48.188 -50.556,47.765 -51.402,48.188 -50.979,47.341 -51.402,46.495 ; -51.402,51.998 -49.709,51.998 -50.556,50.305 -51.402,51.998 ; -51.402,54.115 -51.402,54.538 -50.979,54.961 -51.402,55.385 -51.402,55.808 -50.979,55.808 -50.556,55.385 -50.132,55.808 -49.709,55.808 -49.709,55.385 -50.132,54.961 -49.709,54.538 -49.709,54.115 -50.132,54.115 -50.556,54.538 -50.979,54.115 -51.402,54.115 ; -51.402,59.618 -49.709,59.618 -50.556,57.925 -51.402,59.618 ; -51.402,61.735 -49.709,61.735 -49.709,63.428 -51.402,63.428 -51.402,61.735 ; -51.402,65.968 -50.979,65.968 -50.556,65.545 -50.132,65.968 -49.709,65.968 -50.132,66.391 -49.709,66.815 -50.132,66.815 -50.556,67.238 -50.979,66.815 -51.402,66.815 -50.979,66.391 -51.402,65.968 ; -51.402,69.355 -51.402,69.778 -50.979,70.201 -51.402,70.625 -51.402,71.048 -50.979,71.048 -50.556,70.625 -50.132,71.048 -49.709,71.048 -49.709,70.625 -50.132,70.201 -49.709,69.778 -49.709,69.355 -50.132,69.355 -50.556,69.778 -50.979,69.355 -51.402,69.355 ; -51.064,51.659 -50.048,51.659 -50.556,50.643 -51.064,51.659 ; -51.064,54.453 -51.064,54.707 -50.81,54.961 -51.064,55.215 -51.064,55.469 -50.81,55.469 -50.556,55.215 -50.302,55.469 -50.048,55.469 -50.048,55.215 -50.302,54.961 -50.048,54.707 -50.048,54.453 -50.302,54.453 -50.556,54.707 -50.81,54.453 -51.064,54.453 ; -51.064,62.073 -50.048,62.073 -50.048,63.089 -51.064,63.089 -51.064,62.073 ; -51.064,66.137 -50.81,66.137 -50.556,65.883 -50.302,66.137 -50.048,66.137 -50.302,66.391 -50.048,66.645 -50.302,66.645 -50.556,66.899 -50.81,66.645 -51.064,66.645 -50.81,66.391 -51.064,66.137
  lines w0.381: -52.921,26.302 216.092,26.302 ; -52.921,72.022 216.092,72.022 ; -38.929,22.492 -38.929,75.832 ; -23.693,22.492 -23.693,75.832 ; 5.509,22.492 5.509,75.832 ; 18.358,22.492 18.358,75.832 ; 36.997,22.492 36.997,75.832 ; 75.085,22.492 75.085,75.832 ; 90.067,22.492 90.067,75.832 ; 109.011,22.492 109.011,75.832 ; 125.516,22.492 125.516,75.832 ; 147.202,22.492 147.202,75.832 ; 181.075,22.492 181.075,75.832 ; -52.921,22.492 216.092,22.492 216.092,75.832 -52.921,75.832 -52.921,22.492
  text "Symbol" at -50.635,73.165 h1.83
  text "Count" at -37.786,73.165 h1.83
  text "Hole Size" at -22.55,73.165 h1.83
  text "Plated" at 6.652,73.165 h1.83
  text "Hole Type" at 19.501,73.165 h1.83
  text "Drill Layer Pair" at 38.14,73.165 h1.83
  text "Via/Pad" at 76.228,73.165 h1.83
  text "Pad Shape" at 91.21,73.165 h1.83
  text "Template" at 110.154,73.165 h1.83
  text "Description" at 126.659,73.165 h1.83
  text "Hole Tolerance (+)" at 148.345,73.165 h1.83
  text "Hole Tolerance (-)" at 182.218,73.165 h1.83
  text "2" at -37.786,69.355 h1.52
  text "1.000mm (39.37mil)" at -22.55,69.355 h1.52
  text "PTH" at 6.652,69.355 h1.52
  text "Round" at 19.501,69.355 h1.52
  text "Top Layer - Bottom Layer" at 38.14,69.355 h1.52
  text "Pad" at 76.228,69.355 h1.52
  text "(Mixed)" at 91.21,69.355 h1.52
  text "(Mixed)" at 110.154,69.355 h1.52
  text "2" at -37.786,65.545 h1.52
  text "4.300mm (169.29mil)" at -22.55,65.545 h1.52
  text "NPTH" at 6.652,65.545 h1.52
  text "Round" at 19.501,65.545 h1.52
  text "Top Layer - Bottom Layer" at 38.14,65.545 h1.52
  text "Pad" at 76.228,65.545 h1.52
  text "Rounded" at 91.21,65.545 h1.52
  text "c700hn430" at 110.154,65.545 h1.52
  text "4" at -37.786,61.735 h1.52
  text "0.760mm (29.92mil)" at -22.55,61.735 h1.52
  text "PTH" at 6.652,61.735 h1.52
  text "Round" at 19.501,61.735 h1.52
  text "Top Layer - Bottom Layer" at 38.14,61.735 h1.52
  text "Pad" at 76.228,61.735 h1.52
  text "(Mixed)" at 91.21,61.735 h1.52
  text "(Mixed)" at 110.154,61.735 h1.52
  text "4" at -37.786,57.925 h1.52
  text "1.450mm (57.09mil)" at -22.55,57.925 h1.52
  text "PTH" at 6.652,57.925 h1.52
  text "Round" at 19.501,57.925 h1.52
  text "Top Layer - Bottom Layer" at 38.14,57.925 h1.52
  text "Pad" at 76.228,57.925 h1.52
  text "Rounded" at 91.21,57.925 h1.52
  text "(Mixed)" at 110.154,57.925 h1.52
  text "4" at -37.786,54.115 h1.52
  text "1.850mm (72.84mil)" at -22.55,54.115 h1.52
  text "PTH" at 6.652,54.115 h1.52
  text "Round" at 19.501,54.115 h1.52
  text "Top Layer - Bottom Layer" at 38.14,54.115 h1.52
  text "Pad" at 76.228,54.115 h1.52
  text "Rounded" at 91.21,54.115 h1.52
  text "(Mixed)" at 110.154,54.115 h1.52
  text "4" at -37.786,50.305 h1.52
  text "3.050mm (120.08mil)" at -22.55,50.305 h1.52
  text "PTH" at 6.652,50.305 h1.52
  text "Round" at 19.501,50.305 h1.52
  text "Top Layer - Bottom Layer" at 38.14,50.305 h1.52
  text "Pad" at 76.228,50.305 h1.52
  text "Rounded" at 91.21,50.305 h1.52
  text "c152h305" at 110.154,50.305 h1.52
  text "4" at -37.786,46.495 h1.52
  text "3.300mm (129.92mil)" at -22.55,46.495 h1.52
  text "NPTH" at 6.652,46.495 h1.52
  text "Round" at 19.501,46.495 h1.52
  text "Top Layer - Bottom Layer" at 38.14,46.495 h1.52
  text "Pad" at 76.228,46.495 h1.52
  text "Rounded" at 91.21,46.495 h1.52
  text "c300hn330" at 110.154,46.495 h1.52
  text "10" at -37.786,42.685 h1.52
  text "1.800mm (70.87mil)" at -22.55,42.685 h1.52
  text "PTH" at 6.652,42.685 h1.52
  text "Round" at 19.501,42.685 h1.52
  text "Top Layer - Bottom Layer" at 38.14,42.685 h1.52
  text "Pad" at 76.228,42.685 h1.52
  text "Rounded" at 91.21,42.685 h1.52
  text "c300h180" at 110.154,42.685 h1.52
  text "15" at -37.786,38.875 h1.52
  text "0.640mm (25.20mil)" at -22.55,38.875 h1.52
  text "PTH" at 6.652,38.875 h1.52
  text "Round" at 19.501,38.875 h1.52
  text "Top Layer - Bottom Layer" at 38.14,38.875 h1.52
  text "Pad" at 76.228,38.875 h1.52
  text "Rounded" at 91.21,38.875 h1.52
  text "(Mixed)" at 110.154,38.875 h1.52
  text "16" at -37.786,35.065 h1.52
  text "1.900mm (74.80mil)" at -22.55,35.065 h1.52
  text "PTH" at 6.652,35.065 h1.52
  text "Round" at 19.501,35.065 h1.52
  text "Top Layer - Bottom Layer" at 38.14,35.065 h1.52
  text "Pad" at 76.228,35.065 h1.52
  text "(Mixed)" at 91.21,35.065 h1.52
  text "(Mixed)" at 110.154,35.065 h1.52
  text "26" at -37.786,31.255 h1.52
  text "0.900mm (35.43mil)" at -22.55,31.255 h1.52
  text "PTH" at 6.652,31.255 h1.52
  text "Round" at 19.501,31.255 h1.52
  text "Top Layer - Bottom Layer" at 38.14,31.255 h1.52
  text "Pad" at 76.228,31.255 h1.52
  text "(Mixed)" at 91.21,31.255 h1.52
  text "(Mixed)" at 110.154,31.255 h1.52
  text "339" at -37.786,27.445 h1.52
  text "0.250mm (9.84mil)" at -22.55,27.445 h1.52
  text "PTH" at 6.652,27.445 h1.52
  text "Round" at 19.501,27.445 h1.52
  text "Top Layer - Bottom Layer" at 38.14,27.445 h1.52
  text "Via" at 76.228,27.445 h1.52
  text "Rounded" at 91.21,27.445 h1.52
  text "v55h25" at 110.154,27.445 h1.52
  text "430 Total" at -37.786,23.635 h1.52
  text "FABRICATION NOTES" at 194.906,-3.813 h3
  text "1. QUANTITY: 5" at 194.906,-8.909 h3
  text "2. SIZE: 173mm x 82mm" at 194.906,-14.006 h3
  text "3. LAYERS: 4" at 194.906,-19.102 h3
  text "4. COPPER WEIGHT: 2oz" at 194.906,-23.199 h3
  text "5. SOLDER MASK: Red" at 195.131,-28.059 h3
  text "6. SILKSCREEN: White" at 195.131,-33.156 h3
  text "7. SURFACE FINISH: HASL (With Lead)" at 195.131,-38.252 h3
  text "8. TOTAL THICKNESS: 1.6mm" at 194.622,-43.21 h3
  text "9. VIAS: TENTED" at 194.922,-48.135 h3

## Dimensions
2.54,-82.296 to 2.54,0 on Top Layer
173.101,-4.826 to 0,-2.54 on Drill Drawing

## Text inside footprints (layer, text, board x,y; h text height)
C13: Bottom Overlay "+" at 15.232,-64.079 h1.52 r180